# Allegro board 1155000-zp-dic_pda_8ch_board_v002.brd (continued)
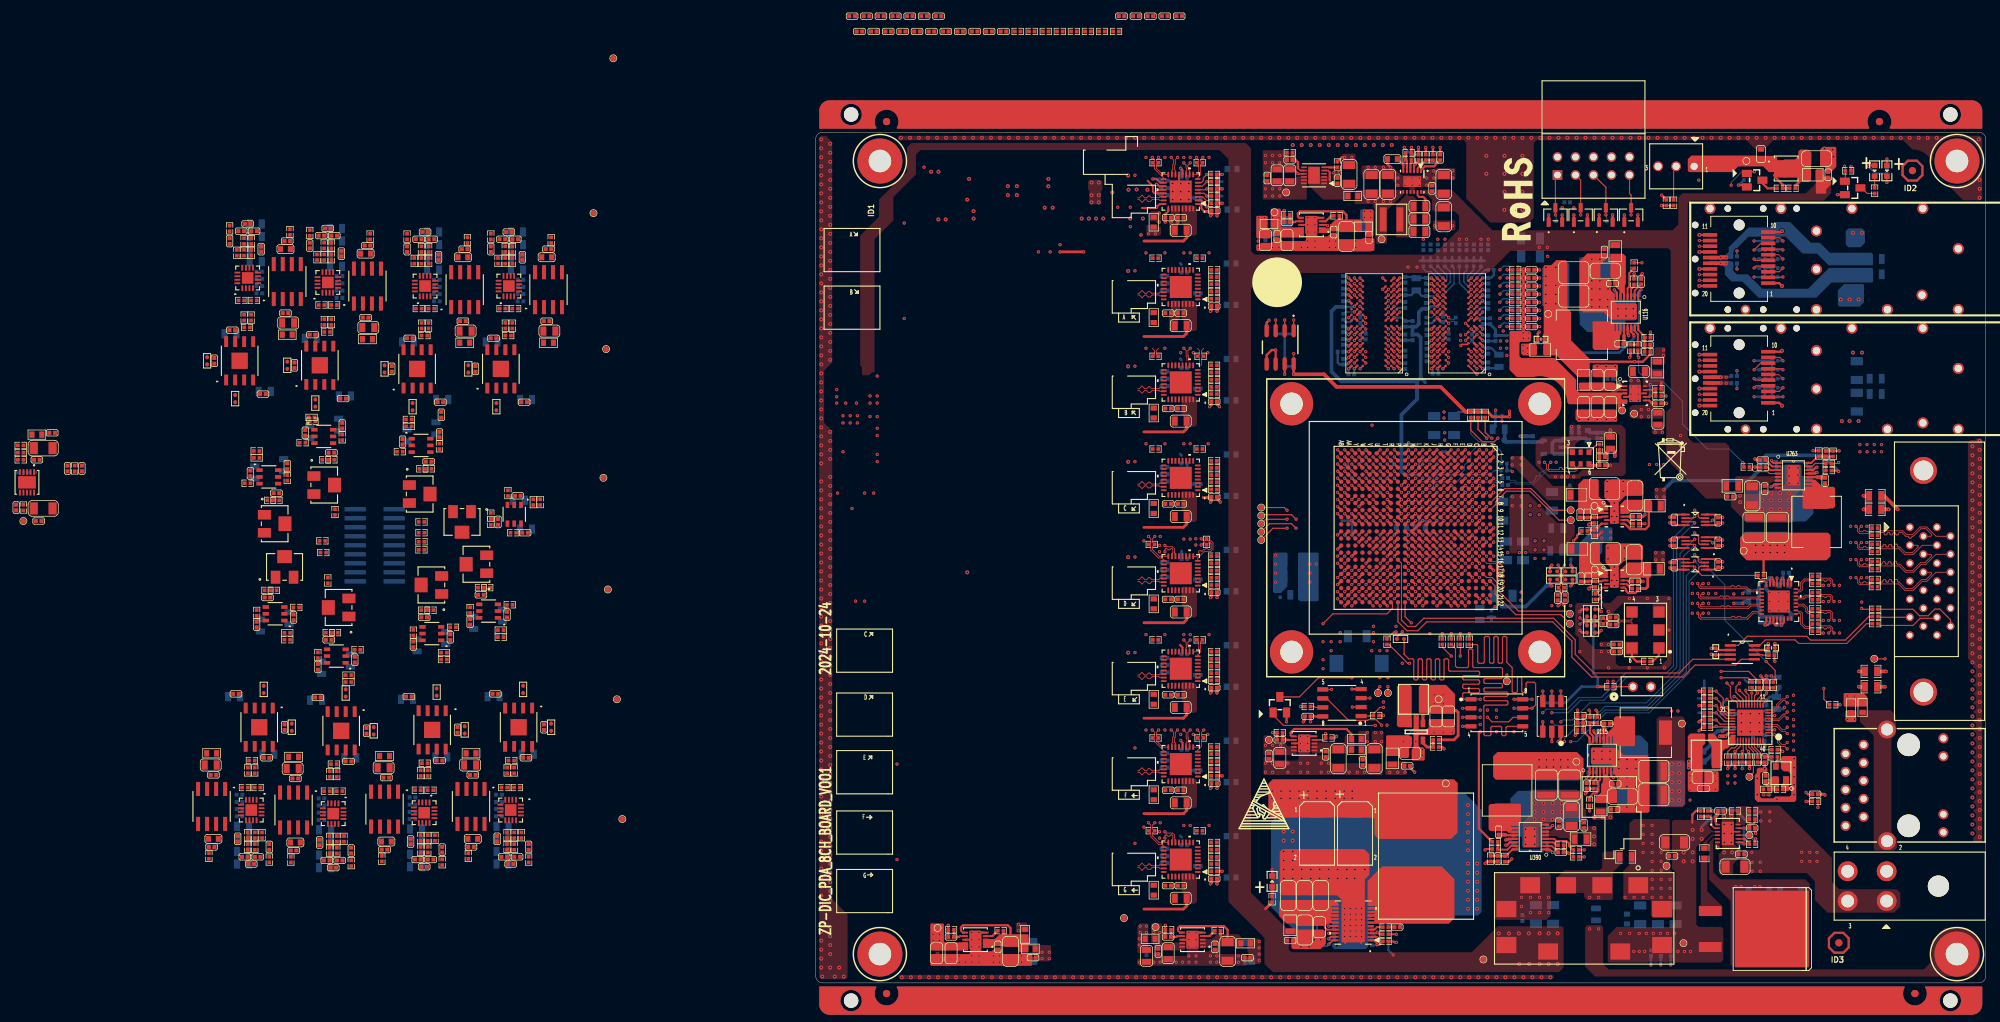
[diagram p0: board, top side]
## Routing (per net, layer and track width the routed paths; a pad name or vN(x,y) marks a point on that pad's centre or on a via; arc(x,y) is an arc through that point) (continued)
  ART03 w0.102: J75.7 154.99,56.66 155.25,56.91 155.25,57.04 154.95,57.34 154.49,57.53 153.44,57.53 153.34,57.43 153.34,57.33 153.24,57.23 153.04,57.23 152.93,57.33 152.93,57.43 152.83,57.53 152.63,57.53 152.53,57.43 152.53,57.33 152.43,57.23 152.22,57.23 152.12,57.33 152.12,57.43 152.02,57.53 151.62,57.53 151.44,57.71 151.3,57.71 151.23,57.65 151.09,57.65 150.94,57.79 150.94,57.93 151.01,58 151.01,58.14 150.86,58.28 150.72,58.28 150.66,58.22 150.51,58.22 150.37,58.36 150.37,58.51 150.43,58.57 150.43,58.72 150.35,58.8 149.32,58.8 149.22,58.7 149.22,58.6 149.12,58.5 148.91,58.5 148.81,58.6 148.81,58.7 148.71,58.8 148.51,58.8 148.41,58.7 148.41,58.6 148.3,58.5 148.1,58.5 148,58.6 148,58.7 147.9,58.8 147.69,58.8 147.59,58.7 147.59,58.6 147.49,58.5 147.29,58.5 147.19,58.6 147.19,58.7 147.09,58.8 143.63,58.8 143.02,58.19 143.02,57.3 143.43,56.9 143.43,56.26 v1(143.6,56.08)
TIMING_SPI_CSN_N: length 71.6
  TOP w0.102: U1.H13 v1(88.6,62.19) ; v1(147.45,62.12) 147.14,61.81 147.14,61.52 147.29,61.37 147.64,61.37 147.81,61.54 148.04,61.54 148.22,61.37 148.69,61.37 148.96,61.64 R2224.2
  ART08 w0.102: v1(147.45,62.12) 147.28,61.94 147.28,61.61 146.12,60.45 145.66,60.45 144.39,59.18 132.51,59.18 127.71,63.98 123.41,63.98 122.92,63.5 116.67,63.5 116.03,64.14 112.19,64.14 109.9,66.42 105.33,66.42 104.01,65.1 96.71,65.1 96.14,64.53 95.82,64.53 95.75,64.59 88.79,64.59 88.21,64 88.21,62 88.31,61.9 88.5,61.9 88.6,62 v1(88.6,62.19)
TIMING_SPI_CSN_P: length 72.2
  TOP w0.102: R2223.2 148.7,61.11 147.19,61.11 146.88,61.42 146.88,61.93 v1(146.69,62.12) ; U1.H14 v1(88.6,61.19)
  ART08 w0.102: v1(88.6,61.19) 88.6,61.59 88.5,61.69 88.23,61.69 88,61.92 88,64.09 88.71,64.8 95.68,64.8 95.82,64.93 95.97,64.93 96.54,65.51 103.84,65.51 105.16,66.83 110.07,66.83 112.36,64.54 116.2,64.54 116.84,63.91 122.75,63.91 123.24,64.39 127.88,64.39 132.68,59.59 144.22,59.59 144.75,60.12 144.75,60.27 144.74,60.27 144.74,60.42 144.89,60.56 145.03,60.56 145.04,60.55 145.18,60.55 145.49,60.86 145.95,60.86 146.15,61.06 146.15,61.2 146.14,61.21 146.14,61.36 146.28,61.5 146.43,61.5 146.44,61.49 146.58,61.49 146.87,61.77 146.87,61.94 v1(146.69,62.12)
TIMING_SPI_MISO_N: length 73.8
  TOP w0.102: v1(147.45,57.17) 147.14,56.85 147.14,56.57 147.29,56.41 147.64,56.41 147.81,56.59 148.04,56.59 148.22,56.41 148.69,56.41 148.96,56.68 R2228.2 ; U1.F10 v1(90.6,66.19)
  ART08 w0.102: v1(147.45,57.17) 147.3,57.32 147.3,57.47 149.14,59.31 149.14,62.61 148.38,63.37 145.9,63.37 143.36,60.83 139.18,60.83 136.83,63.19 arc(131.55,66.71) 125.34,67.95 118.16,67.95 arc(117.69,68.04) 117.29,68.31 117.29,68.31 arc(116.82,68.62) 116.26,68.73 105.61,68.73 103.76,66.88 96.39,66.88 95.41,65.9 95.05,65.9 94.95,65.79 91,65.79 v1(90.6,66.19)
TIMING_SPI_MISO_P: length 74.6
  TOP w0.102: v1(146.69,57.17) 146.88,56.98 146.88,56.46 147.19,56.16 148.7,56.16 R2227.2 ; U1.F11 v1(90.6,65.19)
  ART08 w0.102: v1(146.69,57.17) 146.89,57.37 146.89,57.63 148.74,59.48 148.74,60.29 148.64,60.39 148.41,60.39 148.31,60.49 148.31,60.69 148.41,60.79 148.64,60.79 148.74,60.9 148.74,61.1 148.64,61.2 148.41,61.2 148.31,61.3 148.31,61.51 148.41,61.61 148.64,61.61 148.74,61.71 148.74,62.44 148.21,62.97 146.07,62.97 143.53,60.43 139.01,60.43 136.54,62.9 arc(131.4,66.33) 125.34,67.54 118.16,67.54 arc(117.53,67.66) 117,68.02 arc(116.66,68.25) 116.26,68.33 105.78,68.33 103.92,66.47 96.56,66.47 95.57,65.49 94.97,65.49 94.86,65.59 90.71,65.59 90.6,65.49 v1(90.6,65.19)
TIMING_SPI_MOSI_N: length 68.1
  TOP w0.102: v1(146.69,64.41) 146.88,64.21 146.88,63.7 147.19,63.4 148.7,63.4 R2222.2 ; U1.C10 v1(93.6,66.19)
  ART08 w0.102: v1(93.6,66.19) 93.31,66.19 93.21,66.29 93.21,66.48 93.31,66.59 94.76,66.59 94.81,66.55 95.25,66.55 96.44,67.74 103.22,67.74 105.32,69.84 118.02,69.84 122.88,74.7 139.3,74.7 140.37,73.63 141.48,73.63 146.82,68.3 146.82,64.54 v1(146.69,64.41)
TIMING_SPI_MOSI_P: length 69.2
  TOP w0.102: v1(147.45,64.41) 147.14,64.09 147.14,63.81 147.29,63.65 147.64,63.65 147.81,63.83 148.04,63.83 148.22,63.65 148.69,63.65 148.96,63.92 R2221.2 ; U1.D10 v1(92.6,66.19)
  ART08 w0.102: v1(147.45,64.41) 147.23,64.63 147.23,68.46 141.65,74.04 140.53,74.04 139.47,75.11 122.71,75.11 117.85,70.24 105.15,70.24 103.05,68.15 96.27,68.15 95.08,66.95 94.95,66.95 94.79,66.79 93.23,66.79 93,66.57 93,66.29 92.9,66.19 v1(92.6,66.19)
TIMING_SYNC_REFCLK_N: length 28.2
  TOP w0.102: v1(104.69,58.93) 105.01,58.61 105.01,58.48 R2207.1 105.01,57.59 105.01,57.34 R2205.2 105.01,56.45 105.01,56.03 R2127.2 105.01,55.48 105.01,55.14 C939.2 ; U1.D11 v1(92.6,65.19)
  ART03 w0.102: v1(104.69,58.93) 104.94,59.17 104.94,64.33 104.7,64.57 104.55,64.57 104.51,64.54 104.37,64.54 104.23,64.68 104.23,64.82 104.27,64.86 104.27,65.01 104.12,65.15 103.98,65.15 103.93,65.1 103.78,65.1 103.64,65.24 103.64,65.39 103.69,65.44 103.69,65.58 103.55,65.73 103.4,65.73 103.35,65.67 103.21,65.67 103.06,65.82 103.06,65.96 103.12,66.01 103.12,66.16 102.8,66.47 99.93,66.47 99.83,66.37 99.83,66.29 99.73,66.19 99.53,66.19 99.43,66.29 99.43,66.37 99.32,66.47 99.12,66.47 99.02,66.37 99.02,66.29 98.92,66.19 98.71,66.19 98.61,66.29 98.61,66.37 98.51,66.47 98.18,66.47 97.2,65.49 95.95,65.49 95.85,65.59 92.18,65.59 92.08,65.49 92.08,65.29 92.18,65.19 v1(92.6,65.19)
TIMING_SYNC_REFCLK_P: length 27.4
  TOP w0.102: v1(105.58,58.93) 105.27,58.61 105.27,58.48 R2206.1 105.27,57.59 105.27,57.34 R2204.2 105.27,56.45 105.27,56.03 R2127.1 105.27,55.48 105.27,55.14 C940.2 ; U1.E11 v1(91.6,65.19)
  ART03 w0.102: v1(91.6,65.19) 91.77,65.19 91.88,65.29 91.88,65.57 92.1,65.79 95.85,65.79 95.95,65.9 97.03,65.9 98.01,66.88 102.97,66.88 105.34,64.5 105.34,59.17 v1(105.58,58.93)
TMP75_ALERT: length 72
  TOP w0.152: U1.P21 v1(81.6,54.19) ; U79.3 v1(64.86,93.51)
  ART06 w0.114: v1(78.41,46.86) 77.52,45.97 72.44,45.97 71.75,46.66 70.99,46.66 62.28,55.37 62.28,90.93 v1(64.86,93.51)
  ART08 w0.102: v1(81.6,54.19) 81.62,54.19 82.04,53.77 82.04,52.6 79.93,50.5 79.93,48.39 v1(78.41,46.86)
  BOTTOM w0.152: R501.2 v1(64.86,93.51)
TMP75_IIC_SCL: length 71.2
  TOP w0.152: U79.2 v1(66.13,93.51) ; U1.P17 v1(81.6,58.19)
  ART06 w0.114: v1(66.13,93.51) 66.13,93.01 63.23,90.11 63.23,55.69 71.29,47.63 71.93,47.63 72.44,48.13 v1(72.69,48.13)
  ART08 w0.102: v1(81.6,58.19) 81.6,58.19 81,57.59 78.34,57.59 78.21,57.46 78.21,52.86 74.06,48.72 73.28,48.72 v1(72.69,48.13)
  BOTTOM w0.152: R500.2 v1(66.13,93.51)
TMP75_IIC_SDA: length 69.4
  TOP w0.152: U1.R17 v1(80.6,58.19) ; U79.1 v1(67.4,93.51)
  ART06 w0.114: v1(67.4,93.51) 63.65,89.76 63.65,55.91 71.42,48.13 v1(71.55,48.13)
  ART08 w0.102: v1(71.55,48.13) 73.38,49.96 74.65,49.96 78,53.32 78,57.55 78.25,57.8 80.32,57.8 80.6,58.08 v1(80.6,58.19)
  BOTTOM w0.152: R499.2 v1(67.4,93.51)
VREG: length 16.9
  TOP w0.254: R1041.1 v1(81.88,6.86) ; U113.18 v1(72.36,8.01)
  ART08 w0.102: v1(81.88,6.86) 80.95,6.86 79.93,5.84 74.52,5.84 v1(72.36,8.01)
  BOTTOM w0.254: R1050.1 70.69,8.11 71.47,8.89 C1158.1 72.16,8.2 v1(72.36,8.01)
VRN_33: length 1.4
  TOP w0.381: U1.T6 v1(79.6,70.19)
  BOTTOM w0.152: R2140.2 79.1,70.69 v1(79.6,70.19)
VRN_34: length 1.4
  TOP w0.152: U1.K4 v1(86.6,72.19)
  BOTTOM w0.152: v1(86.6,72.19) 87.1,72.68 R2142.2
VRP_33: length 1.4
  TOP w0.152: U1.T14 v1(79.6,61.19)
  BOTTOM w0.356: v1(79.6,61.19) 79.61,61.19 R2141.1
VRP_34: length 1.4
  TOP w0.152: U1.V5 v1(77.6,71.19)
  BOTTOM w0.152: R2143.1 78.11,70.69 v1(77.6,71.19)
VTTDDR: length 38.9
  TOP w0.305: C546.1 v1(99.79,99.44) R465.1 ; C553.1 v1(99.77,93.73) R484.1 ; R476.1 v1(99.77,94.87) C554.1 ; R467.1 v1(99.79,100.58) C525.1 ; C522.1 v1(99.79,92.58) R482.1 ; C551.1 v1(99.79,97.16) R479.1 ; C555.1 v1(99.77,96.01) R478.1 ; R463.1 v1(99.79,98.3) C550.1
  TOP w0.381: TP48.1 113.32,81.14 113.32,82.16
  BOTTOM w0.381: R484.1 99.05,94.23 ; R484.1 99.05,93.22 ; R484.1 99.55,93.73 ; R468.1 R474.1 ; R468.1 85.69,102.38 ; R468.1 85.18,101.87 ; R474.1 R471.1 ; R474.1 86.71,102.38 ; R460.1 90.77,102.38 ; R460.1 R462.1 ; R460.1 R472.1 ; R463.1 99.05,98.81 ; R463.1 99.55,98.3 ; R463.1 99.05,97.79 ; R461.1 88.74,102.38 ; R461.1 R472.1 ; R461.1 R471.1 ; R462.1 R469.1 ; R462.1 91.79,102.38 ; R469.1 92.8,102.38 ; R469.1 R473.1 ; R478.1 99.55,96.01 ; R478.1 99.05,95.5 ; R478.1 99.05,96.52 ; R472.1 89.76,102.38 ; R476.1 99.05,95.38 ; R476.1 99.55,94.87 ; R476.1 99.05,94.36 ; 99.05,98.93 R465.1 ; R465.1 99.05,99.95 ; R465.1 99.55,99.44 ; R479.1 99.05,97.66 ; R479.1 99.55,97.16 ; R479.1 99.05,96.65 ; R467.1 99.55,100.58 ; R467.1 99.05,100.08 ; R467.1 99.05,101.09 ; 99.05,93.09 R482.1 99.55,92.58 ; R473.1 94.33,101.87 ; R473.1 93.82,102.38 ; R471.1 87.72,102.38
  vias: v1(99.79,91.69) v1(99.79,90.93) v1(100.55,91.69) v1(100.55,90.93)
VTTVREF: length 78.6
  TOP w0.203: U75.M8 v1(75.96,95.44) ; U75.H1 v1(82.36,92.24) ; U76.H1 v1(94.05,92.24)
  TOP w0.229: 117.53,82.16 U23.6
  TOP w0.305: U1.L4 v1(85.6,72.19) ; C97.1 117.92,81.76 117.53,82.16 ; U76.M8 v1(87.65,95.44) ; U1.Y4 v1(75.6,72.19) ; U1.Y11 v1(75.6,65.19) ; U1.Y12 v1(75.6,63.19)
  BOTTOM w0.254: 74.36,72.66 C492.1 75.11,73.78
  BOTTOM w0.305: v1(85.6,72.19) 85.13,71.72 C491.1 83.04,71.69 82.85,71.88 ; v1(75.96,95.44) 75.88,95.36 C507.1 ; C462.1 76.08,62.72 v1(75.6,63.19) v1(75.6,65.19) 76.11,65.7 C463.1 ; C492.1 75.13,72.66 v1(75.6,72.19)
  BOTTOM w0.381: v1(82.36,92.24) 82.68,92.56 C506.1 C520.1 ; v1(94.05,92.24) 94.07,92.27 C573.1 C545.1 95.85,92.18 C544.2 97.56,91.33 ; v1(87.65,95.44) 86.77,95.44 86.43,95.1 C563.1 ; v1(75.6,65.19) 74.17,65.19
  BOTTOM w0.508: 84.8,84.84 74.13,84.84 72.74,86.23 72.74,94.74 73.35,95.36 C507.1 ; 84.8,84.84 85.31,85.34 ; 84.8,84.84 84.8,82.34 82.6,80.14 82.6,72.14 82.85,71.88 ; C563.1 85.55,95.1 85.06,94.62 85.06,92.96 84.66,92.56 C520.1 C187.2 84.91,91.46 85.31,91.06 85.31,85.34 ; 85.31,85.34 85.95,84.71
  vias: v1(116.43,80.87) v1(116.43,79.86) v1(117.44,80.87) v1(117.44,79.86)
XADC_AGND: length 7
  TOP w0.305: U1.K11 v1(86.6,65.19) ; v1(85.6,65.19) U1.L11 U1.M12 v1(84.6,63.19)
  BOTTOM w0.305: v1(84.6,63.19) 84.55,63.25 84.37,63.25 83.36,64.26 L3.2 ; v1(85.6,65.19) v1(86.6,65.19)
  BOTTOM w0.381: v1(86.6,65.19) 87.1,64.69 C2.2
XADC_VCC: length 2.8
  TOP w0.381: U1.K12 v1(86.6,63.19)
  BOTTOM w0.381: L5.1 85.96,63.83 v1(86.6,63.19) 87.1,63.69 C2.1
$7N830: length 2.3
  TOP w0.152: R396.1 148.28,111.36 147.49,112.14 Q15.3
$7N832: length 1.6
  TOP w0.152: R396.2 DS10.2
$45N24: length 4.1
  TOP w0.229: U23.1 113.77,84.16 v1(113.25,84.68)
  BOTTOM w0.254: R221.2 112.79,84.22 v1(113.25,84.68)
  BOTTOM w0.305: v1(113.25,84.68) 112.72,85.22 C271.1 R219.1
$45N300: length 174.7
  TOP w0.152: DS18.2 v1(151.05,112.9) ; v1(75.61,43.05) 70.91,43.05 68.2,40.34 Q10.3
  ART03 w0.102: v1(151.05,112.9) 150.8,113.16 127.81,113.16 123.11,108.46 123.11,61.75 123.77,61.09 124.76,61.09 128.85,57 128.85,46.51 124,41.66 124,40.77 v1(121.59,38.35)
  ART08 w0.102: v1(121.59,38.35) 121.08,37.85 111.4,37.85 106.13,32.58 93.1,32.58 92.1,33.58 78.61,33.58 78.41,33.78 78.41,38.48 77.07,39.81 77.07,41.59 v1(75.61,43.05)
$45N301: length 2.1
  TOP w0.254: DS18.1 v1(151.05,116.21)
  BOTTOM w0.254: v1(151.05,116.21) R87.2
N319534: length 2.2
  TOP w0.152: U75.L8 v1(75.96,94.64)
  BOTTOM w0.152: R458.1 74.65,94.64 v1(75.96,94.64)
N335210: length 2.5
  TOP w0.152: U76.L8 v1(87.65,94.64)
  BOTTOM w0.152: R490.1 86.88,93.87 v1(87.65,94.64)
N576871: length 2.9
  TOP w0.152: P3.4 132.6,101.12 v1(132.32,100.84)
  BOTTOM w0.152: R517.2 v1(132.32,100.84)
N577021: length 3
  TOP w0.152: v1(136.39,104.65) 135.93,105.12 P3.9
  BOTTOM w0.152: R391.2 v1(136.39,104.65)
N577039: length 2.9
  TOP w0.152: P3.7 136.26,103.52 v1(136.39,103.38)
  BOTTOM w0.152: R392.2 v1(136.39,103.38)
N577057: length 3.1
  TOP w0.102: P3.6 135.79,102.72 v1(136.39,102.11)
  BOTTOM w0.152: R13.2 v1(136.39,102.11)
N577143: length 2.8
  TOP w0.152: P3.2 136.33,99.52 v1(136.39,99.57)
  BOTTOM w0.152: R11.2 v1(136.39,99.57)
N594453: length 2.8
  TOP w0.152: P3.5 132.52,101.92 v1(132.32,102.11)
  BOTTOM w0.152: R516.2 v1(132.32,102.11)
N1143708: length 1.5
  TOP w0.152: R858.1 135.62,31.39 135.39,31.15 U94.3
N1146237: length 7.4
  TOP w0.381: v1(142.33,26.49) 142.2,26.62 C3011.2
  ART08 w0.508: v1(142.33,26.49) 142.33,23.7 143.86,22.16 J6.1
N16645850:
  vias: v1(109.14,12.07) v1(110.41,12.07)
N16650422:
  vias: v1(129.76,13.59) v1(130.48,13.59) v1(132.43,13.59) v1(133.14,13.59)
N16650464: length 7.4
  TOP w0.203: U112.7 130.68,19.83 v1(130.9,19.61) ; U112.11 v1(130.9,21.83)
  TOP w0.254: R1039.2 132.45,22.63 132.29,22.48 131.8,22.48 131.65,22.33 C1146.2 131.63,21.83 v1(130.9,21.83)
  BOTTOM w0.381: R1038.2 130.81,19.7 v1(130.9,19.61) v1(130.9,21.83)
N16650588: length 2
  TOP w0.203: 130.88,20.32 130.87,20.33 U112.8
  TOP w0.305: R1033.2 131.65,19.69 131.01,20.32 130.88,20.32
N16650778: length 2.2
  TOP w0.203: U112.1 127.11,22.33 126.9,22.54 126.9,22.8
  TOP w0.381: 126.9,22.8 126.9,23.43 127.2,23.73 C1151.1
N16650844: length 3.7
  TOP w0.203: 126.08,23.48 126.33,23.22 126.33,22.23 126.72,21.83 U112.2
  TOP w0.254: R1063.1 126.08,23.48
  TOP w0.305: R1063.1 R1040.2
N16650852: length 1.6
  TOP w0.152: U112.9 131.66,20.83 TP40.1
N16671344: length 2
  TOP w0.254: 71.8,8.18 71.8,7.82 72.11,7.51 U113.19
N16672317: length 1.7
  TOP w0.254: U113.20 v1(72.36,7.01)
  BOTTOM w0.254: v1(72.36,7.01) 72.4,6.97 R1044.2
N16672324: length 1.9
  TOP w0.254: U113.21 72.64,6.51 v1(72.36,6.22)
  BOTTOM w0.254: v1(72.36,6.22) 72.46,6.12 R1043.2
N16672331: length 4
  TOP w0.254: U113.22 72.9,6.01 v1(72.36,5.46)
  BOTTOM w0.254: R1050.2 71.82,6.52 71.82,5.67 R1042.2 71.61,5.21 72.1,5.21 v1(72.36,5.46)
N16672704: length 0.7
  TOP w0.381: C1159.1 82.41,8.6
N16673248: length 3
  TOP w0.254: U113.1 78.72,6.01 79.16,5.56 v1(79.16,5.38) 79.49,5.38 R1047.1
  BOTTOM w0.254: R1046.2 79.1,5.31 v1(79.16,5.38)
N16673267: length 1.8
  TOP w0.254: U113.4 78.79,7.51 79.16,7.87 R1049.1
N16673329: length 0.9
  TOP w0.254: R1049.2 C1159.2
N16673629: length 3
  TOP w0.254: v1(79.16,6.35) 79.01,6.51 U113.2
  BOTTOM w0.254: R1045.2 79.83,5.84 79.32,6.35 v1(79.16,6.35) 79.16,6.38 R1048.1
N16716359: length 4.4
  TOP w0.254: U116.4 114.49,97.98 114.73,98.23 114.73,100.11 R1067.2
N16716559: length 6.8
  TOP w0.305: U116.13 114.49,91.56 114.62,91.43 114.62,91.32 v1(114.65,91.29)
  BOTTOM w0.381: v1(114.65,91.29) 114.65,91.73 C1189.1 116.17,93.25 R1071.2
N16716571: length 2.1
  TOP w0.254: C1190.1 116.37,98.52 115.49,97.64 U116.2
N16716663: length 3
  TOP w0.254: U116.1 115.99,97.4 v1(116.38,97.79)
  BOTTOM w0.381: R1070.2 R1071.1 116.17,97.58 v1(116.38,97.79)
N16716707: length 2.3
  TOP w0.305: 113.99,91.3 U116.12
  TOP w0.508: C1191.2 113.99,90.23 113.99,91.3
N16716803: length 3.8
  TOP w0.254: R1072.1 C1192.1 116.88,91 R1073.1 116.91,91.18 115.99,92.11 U116.16
N16717075: length 1.9
  TOP w0.254: U116.3 114.99,97.85 115.38,98.24 R1068.1
N16718397: length 3.6
  TOP w0.254: U116.15 115.49,91.97 115.92,91.54 R1075.2 R1074.2
N16720636: length 1
  BOTTOM w0.254: v1(113.25,83.79) 112.88,83.42 R221.1
N16720676: length 3.3
  TOP w0.229: v1(117.67,82.8) 117.53,82.66 U23.7
  TOP w0.381: R3010.1 119.24,84.65
  BOTTOM w0.381: v1(117.67,82.8) 117.67,84.4 v1(117.7,84.43)
N16721374: length 2.6
  TOP w0.229: R3010.2 118.08,83.79 117.95,83.66 U23.9
  TOP w0.254: R3010.2 R3011.1
N17765267: length 1.9
  TOP w0.254: v1(112.62,97.76) 112.99,97.39 U116.7
  BOTTOM w0.305: R1069.2 112.74,97.64 v1(112.62,97.76)
N21090058: length 3.3
  TOP w0.305: R984.2 115.74,45.34 115.11,45.97 U103.6
N21090105: length 2.6
  TOP w0.254: R984.1 118.03,45.34 118.91,46.22 U103.1
N21330124: length 4.9
  TOP w0.152: R1929.1 120.97,114.83 J61.2
N21624044: length 2
  TOP w0.381: 54.64,68.47 55.51,68.47 55.6,68.55 C3274.2 55.79,67.94 v1(55.67,67.82)
N21859607:
  vias: v1(145.46,37.16) v1(146.48,37.16)
N21904635: length 17.2
  TOP w0.305: R835.2 v1(144.45,39.24)
  ART03 w0.305: v1(144.45,39.24) 154.28,39.24 J6.14
N21907439: length 6.9
  TOP w0.2: v1(127.86,35.56) 128,35.7 U93.28
  BOTTOM w0.508: C847.1 128.36,35.94 127.98,35.56 v1(127.86,35.56) 127.22,35.56 126.42,34.76 C846.1 126.42,33.8 L245.2
N21907473: length 4.6
  TOP w0.152: R853.1 C3012.1 v1(134.08,40.89) 134.08,40.72 133.19,39.83 U93.12
  BOTTOM w0.152: C3012.1 v1(134.08,40.89)
N21907487: length 17.8
  ART03 w0.305: v1(123.28,29.21) 123.47,29.02 127.49,29.02 128.06,29.59 128.06,32.89 129.13,33.96 129.13,39.37 v1(128.49,40.01)
  BOTTOM w0.381: R2048.2 127.73,39.24 v1(128.49,40.01)
  vias: v1(123.28,28.19) v1(123.28,27.18)
N21907526: length 3.2
  TOP w0.2: v1(128.49,38.86) 128.85,38.5 U93.21
  BOTTOM w0.381: R2048.1 128.83,37.95 C855.1 128.85,38.5 v1(128.49,38.86)
N21907530: length 2.9
  TOP w0.191: U93.3 v1(135.22,35.7) ; U93.38 132.79,33.54 v1(132.94,33.4) ; U93.8 v1(135.22,37.7)
N21907545: length 13.2
  TOP w0.191: v1(133.84,33.4) 133.82,33.41 133.82,33.66 133.59,33.89 U93.40 ; U93.11 133.59,39.39 v1(134.08,39.88)
  ART03 w0.508: v1(134.08,39.88) 134.33,39.62 134.33,33.91 133.84,33.41 v1(133.84,33.4)
  BOTTOM w0.381: C851.1 v1(134.08,39.88) 134.55,40.35 C841.1 135.47,41.07 135.73,41.32 L243.2 ; C842.1 133.82,33.41 v1(133.84,33.4)
N21908077: length 2.7
  TOP w0.152: R844.2 132.81,32.46 131.99,33.28 U93.36
N21908106: length 4.6
  TOP w0.2: U93.29 128.79,35.3 128.67,35.18
  TOP w0.381: v1(128.29,34.8) 128.67,35.18
  TOP w0.508: v1(127.47,34.8) v1(128.29,34.8)
  BOTTOM w0.508: C850.1 126.8,32.6 125.44,31.24 L244.2
N21908110: length 3.2
  TOP w0.152: U93.31 129.99,33.53 129.61,33.15 129.13,33.15 128.62,32.64 R2251.1
N21908185: length 5.7
  TOP w0.152: U93.35 131.59,33.25 132.22,32.62 132.22,29.64 TP20.1
N21908350: length 3.8
  TOP w0.152: U93.14 132.39,40.5 v1(132.79,40.89) R855.1
  BOTTOM w0.152: v1(132.79,40.89) 133.06,41.17 R2247.1
N21908430: length 2.8
  TOP w0.152: U93.13 132.79,39.96 133.32,40.49 133.32,41.38 R854.1
N21908573: length 2.7
  TOP w0.152: R845.1 133.7,32.89 133.37,33.22 133.37,33.6 133.19,33.78 U93.39
N21912553: length 1.4
  TOP w0.381: R2050.2 DS24.1
N22238566: length 10.7
  TOP w0.254: U129.6 67.12,34.78 66.98,34.93 66.98,35.18
  TOP w0.305: 66.98,35.18 66.98,35.31 67.48,35.81 74.85,35.81 75.55,35.12 L394.2
N22251669: length 5
  TOP w0.254: U115.4 110.62,28.69 110.38,28.45 110.38,27.05 110.08,26.75 109.65,26.75 109.12,26.22 R1059.2
N22251767: length 7
  TOP w0.305: v1(110.46,35.56) 110.46,35.32 110.62,35.16 U115.13
  BOTTOM w0.381: R1061.2 108.93,33.47 C1175.1 110.46,34.99 v1(110.46,35.56)
N22251781: length 2.1
  TOP w0.254: U115.2 109.62,29.08 108.73,28.2 C1176.1
N22251829: length 3
  TOP w0.254: v1(108.68,28.96) 109.12,29.39 U115.1
  BOTTOM w0.381: v1(108.68,28.96) 108.93,29.21 R1061.1 R1064.2
N22251845: length 0.8
  TOP w0.381: C1179.1 112.82,36.58
N22251853: length 2.3
  TOP w0.305: 111.12,35.42 U115.12
  TOP w0.508: 111.12,35.42 111.12,36.49 C1179.2
N22251889: length 1.9
  TOP w0.254: v1(112.49,28.96) 112.12,29.33 U115.7
  BOTTOM w0.305: R1066.2 112.36,29.08 v1(112.49,28.96)
N22251891: length 3.8
  TOP w0.254: U115.16 109.12,34.61 108.19,35.54 R1089.1 108.22,35.72 C1180.1 R1057.1
N22252042: length 1.9
  TOP w0.254: U115.3 110.12,28.87 109.73,28.48 R1065.1
N22252096: length 3.6
  TOP w0.254: U115.15 109.62,34.81 109.19,35.24 R1060.2 R1058.2
N22256857: length 4.4
  TOP w0.152: U263.4 134.5,71.85 134.21,72.14 132.32,72.14 R1077.2
N22256931: length 6.8
  TOP w0.305: v1(141.19,72.01) 141.16,71.98 141.05,71.98 140.92,71.85 U263.13
  BOTTOM w0.381: R1079.2 139.23,73.54 C1202.1 140.75,72.01 v1(141.19,72.01)
N22256969: length 2.1
  TOP w0.254: U263.2 134.87,72.85 C1203.1
N22257017: length 2.8
  TOP w0.254: U263.1 135.05,73.35 134.79,73.61 v1(134.79,73.66)
  BOTTOM w0.381: v1(134.79,73.66) 134.92,73.54 R1079.1 R1080.2
N22257033: length 0.7
  TOP w0.508: C1206.1 142.34,69.8
N22257041: length 2.3
  TOP w0.305: 141.18,71.35 U263.12
  TOP w0.508: 141.18,71.35 141.67,71.35 141.76,71.27 C1206.2
N22257067: length 3.8
  TOP w0.254: R1085.1 C1207.1 141.48,74.25 R1086.1 141.3,74.28 140.37,73.35 U263.16
N22257227: length 1.9
  TOP w0.254: R1083.1 134.24,72.74 134.63,72.35 U263.3
N22257272: length 3.6
  TOP w0.152: R1076.2 R1078.2 140.94,73.28 140.51,72.85 U263.15
N22390089: length 5.9
  TOP w0.229: 114.22,55.37 114.22,55.63 114.08,55.77 U118.6
  TOP w0.305: R1101.1 115.94,55.37 115.56,54.99 114.6,54.99 114.22,55.37
  TOP w0.381: 117.33,57.26 117.33,55.9 117.06,55.63 R1101.1
N22390861: length 1.4
  TOP w0.203: U118.8 114.47,56.77 114.6,56.64
  TOP w0.305: 114.6,56.64 C1208.2
N22391236: length 3.6
  TOP w0.229: U118.3 111,56.77 110.89,56.66
  TOP w0.305: C1216.1 R1098.1 108.97,56.66 R1091.1 110.89,56.66
N22401678: length 3.7
  TOP w0.229: U119.3 110.9,65.79 110.79,65.68
  TOP w0.305: C1234.1 R1113.1 108.84,65.68 R1114.1 110.79,65.68
N22401694: length 3.1
  TOP w0.229: U119.5 110.86,64.79
  TOP w0.305: 110.86,64.79 110.81,64.79 109.92,63.9 R1112.2 108.97,63.9 R1116.1
N22401706: length 7.1
  TOP w0.229: 114.22,64.66 114.1,64.79 U119.6
  TOP w0.305: 117.48,67.31 117.48,64.48 117.01,64.01 114.88,64.01 114.22,64.66
N22401776: length 1.5
  TOP w0.229: U119.8 114.35,65.79
  TOP w0.305: 114.35,65.79 C1231.2
N22408855: length 1.6
  TOP w0.203: U118.7 114.34,56.27 114.42,56.19
  TOP w0.305: 114.42,56.19 114.98,55.63 R1101.2
N22415812: length 1.7
  TOP w0.229: U119.7 114.18,65.29
  TOP w0.305: 114.18,65.29 114.47,65.29 114.98,64.77 R1115.2
N22519847: length 9.4
  TOP w0.102: R2223.1 150.14,61.23 152.78,61.23 153.54,60.47 154.79,60.47 156.06,61.74 J75.16
N22519853: length 9.3
  TOP w0.102: R2224.1 150.14,61.49 150.38,61.49 150.51,61.61 150.51,61.75 150.61,61.85 150.81,61.85 150.91,61.75 150.91,61.59 151.02,61.49 151.19,61.49 151.32,61.61 151.32,61.75 151.42,61.85 151.62,61.85 151.73,61.75 151.73,61.59 151.83,61.49 152.01,61.49 152.13,61.61 152.13,61.8 152.23,61.9 152.44,61.9 152.54,61.8 152.54,61.59 152.64,61.49 152.89,61.49 153.65,60.72 154.68,60.72 155.45,61.49 155.45,61.63 155.34,61.74 J75.3
N22519875: length 11.8
  TOP w0.102: J75.17 157.97,60.47 156.55,59.06 155.91,59.06 154.8,57.94 153.66,57.94 152.78,58.82 150.14,58.82 R2225.1
N22519885: length 11.8
  TOP w0.102: J75.4 157.25,60.47 157.35,60.37 157.35,60.21 156.45,59.31 155.81,59.31 154.69,58.19 153.77,58.19 152.89,59.07 152.54,59.07 152.43,59.17 152.43,59.39 152.33,59.49 152.15,59.49 152.03,59.36 152.03,59.17 151.93,59.07 151.72,59.07 151.62,59.17 151.62,59.33 151.52,59.44 151.34,59.44 151.21,59.31 151.21,59.17 151.11,59.07 150.91,59.07 150.81,59.17 150.81,59.33 150.71,59.44 150.53,59.44 150.4,59.31 150.4,59.17 150.3,59.07 150.14,59.07 R2226.1
N22519963: length 11.6
  TOP w0.102: J75.15 157.97,63.01 156.67,64.31 155.73,64.31 154.68,63.26 153.8,63.26 153.3,63.77 150.14,63.77 R2221.1
N22519965: length 11.6
  TOP w0.102: J75.2 157.27,63.01 157.37,63.11 157.37,63.25 156.56,64.06 155.84,64.06 154.79,63.01 154.64,63.01 154.54,62.91 154.54,62.84 154.44,62.74 154.24,62.74 154.14,62.84 154.14,62.91 154.03,63.01 153.7,63.01 153.19,63.52 152.8,63.52 152.7,63.42 152.7,63.3 152.6,63.2 152.4,63.2 152.3,63.3 152.3,63.42 152.19,63.52 151.99,63.52 151.89,63.42 151.89,63.3 151.79,63.2 151.58,63.2 151.48,63.3 151.48,63.42 151.38,63.52 151.18,63.52 151.08,63.42 151.08,63.3 150.97,63.2 150.77,63.2 150.67,63.3 150.67,63.42 150.57,63.52 150.14,63.52 R2222.1
N22520015: length 11.8
  TOP w0.102: R2227.1 150.14,56.28 152.68,56.28 153.57,55.39 154.79,55.39 156.06,56.66 156.7,56.66 157.97,57.93 J75.19
N22520025: length 11.8
  TOP w0.102: J75.6 157.25,57.93 157.35,57.83 157.35,57.67 156.59,56.91 155.95,56.91 154.68,55.64 153.68,55.64 152.79,56.53 152.65,56.53 152.55,56.63 152.55,56.82 152.44,56.92 152.24,56.92 152.14,56.82 152.14,56.66 152.01,56.53 151.83,56.53 151.73,56.63 151.73,56.79 151.63,56.9 151.43,56.9 151.33,56.79 151.33,56.66 151.2,56.53 151.02,56.53 150.92,56.63 150.92,56.79 150.82,56.9 150.62,56.9 150.49,56.77 150.49,56.63 150.39,56.53 150.14,56.53 R2228.1
N22520500: length 4.5
  TOP w0.152: J75.11 149.91,51.58 R2125.1
N22520516: length 12.5
  TOP w0.152: J75.25 160.02,51.23 158.52,52.73 157.81,52.73 156.87,51.79 155.65,51.79 154.73,52.71 R2126.1
N22520561: length 7.8
  TOP w0.508: R2084.1 v1(150.92,43.94)
  ART08 w0.508: v1(150.92,43.94) 154.29,47.31 J75.13
N22520570: length 11.5
  TOP w0.508: R2085.1 v1(150.79,41.78)
  ART08 w0.508: J75.26 150.85,41.78 v1(150.79,41.78)
N22520917: length 9.7
  TOP w0.508: v1(152.57,66.8) 150.67,68.7 R2087.1
  ART08 w0.508: J75.14 155.59,66.8 v1(152.57,66.8)
N22520923: length 5.1
  TOP w0.508: R2086.1 v1(151.31,66.8)
  ART08 w0.508: v1(151.31,66.8) 153.83,64.28 J75.1
N22521027: length 9.6
  TOP w0.152: TP138.1 v1(150.8,45.72)
  ART08 w0.102: v1(150.8,45.72) 152.29,47.22 152.29,48.62 153.99,50.31 J75.12
N22948810: length 8.9
  TOP w0.152: J75.24 157.96,51.44 155.75,51.44 154.73,50.42 150.05,50.42 R2124.1
N22968010: length 23.6
  TOP w0.254: U271.6 135.06,56.85 134.81,57.1 v1(134.79,57.1) 134.56,56.87 U271.7 ; U271.3 136.56,56.86 v1(136.32,57.1) 136.06,56.84 U271.4 ; U271.21 136.06,50.63 v1(136.19,50.5) 136.56,50.86 U271.22 ; U271.20 135.56,50.75 135.43,50.62 v1(135.43,50.5) 135.31,50.5 135.06,50.75 U271.19
  BOTTOM w0.356: v1(136.32,57.1) 136.43,57.21 C2472.2
  BOTTOM w0.508: v1(135.43,50.5) v1(136.19,50.5) 136.19,51.45 C2468.1 135.98,51.66 C2470.2 C2473.2 133.14,52.71 132.95,52.9 L283.2 C2471.1 133.02,55.26 133.02,56.34 133.42,56.74 C2469.2 134.39,57.1 v1(134.79,57.1) 134.79,56.72 135.43,56.08 C2467.1 136.32,56.53 v1(136.32,57.1)
